# Altium PCB wikiduino-micro-bk7251.PcbDoc (part 1 of 2) (continued)
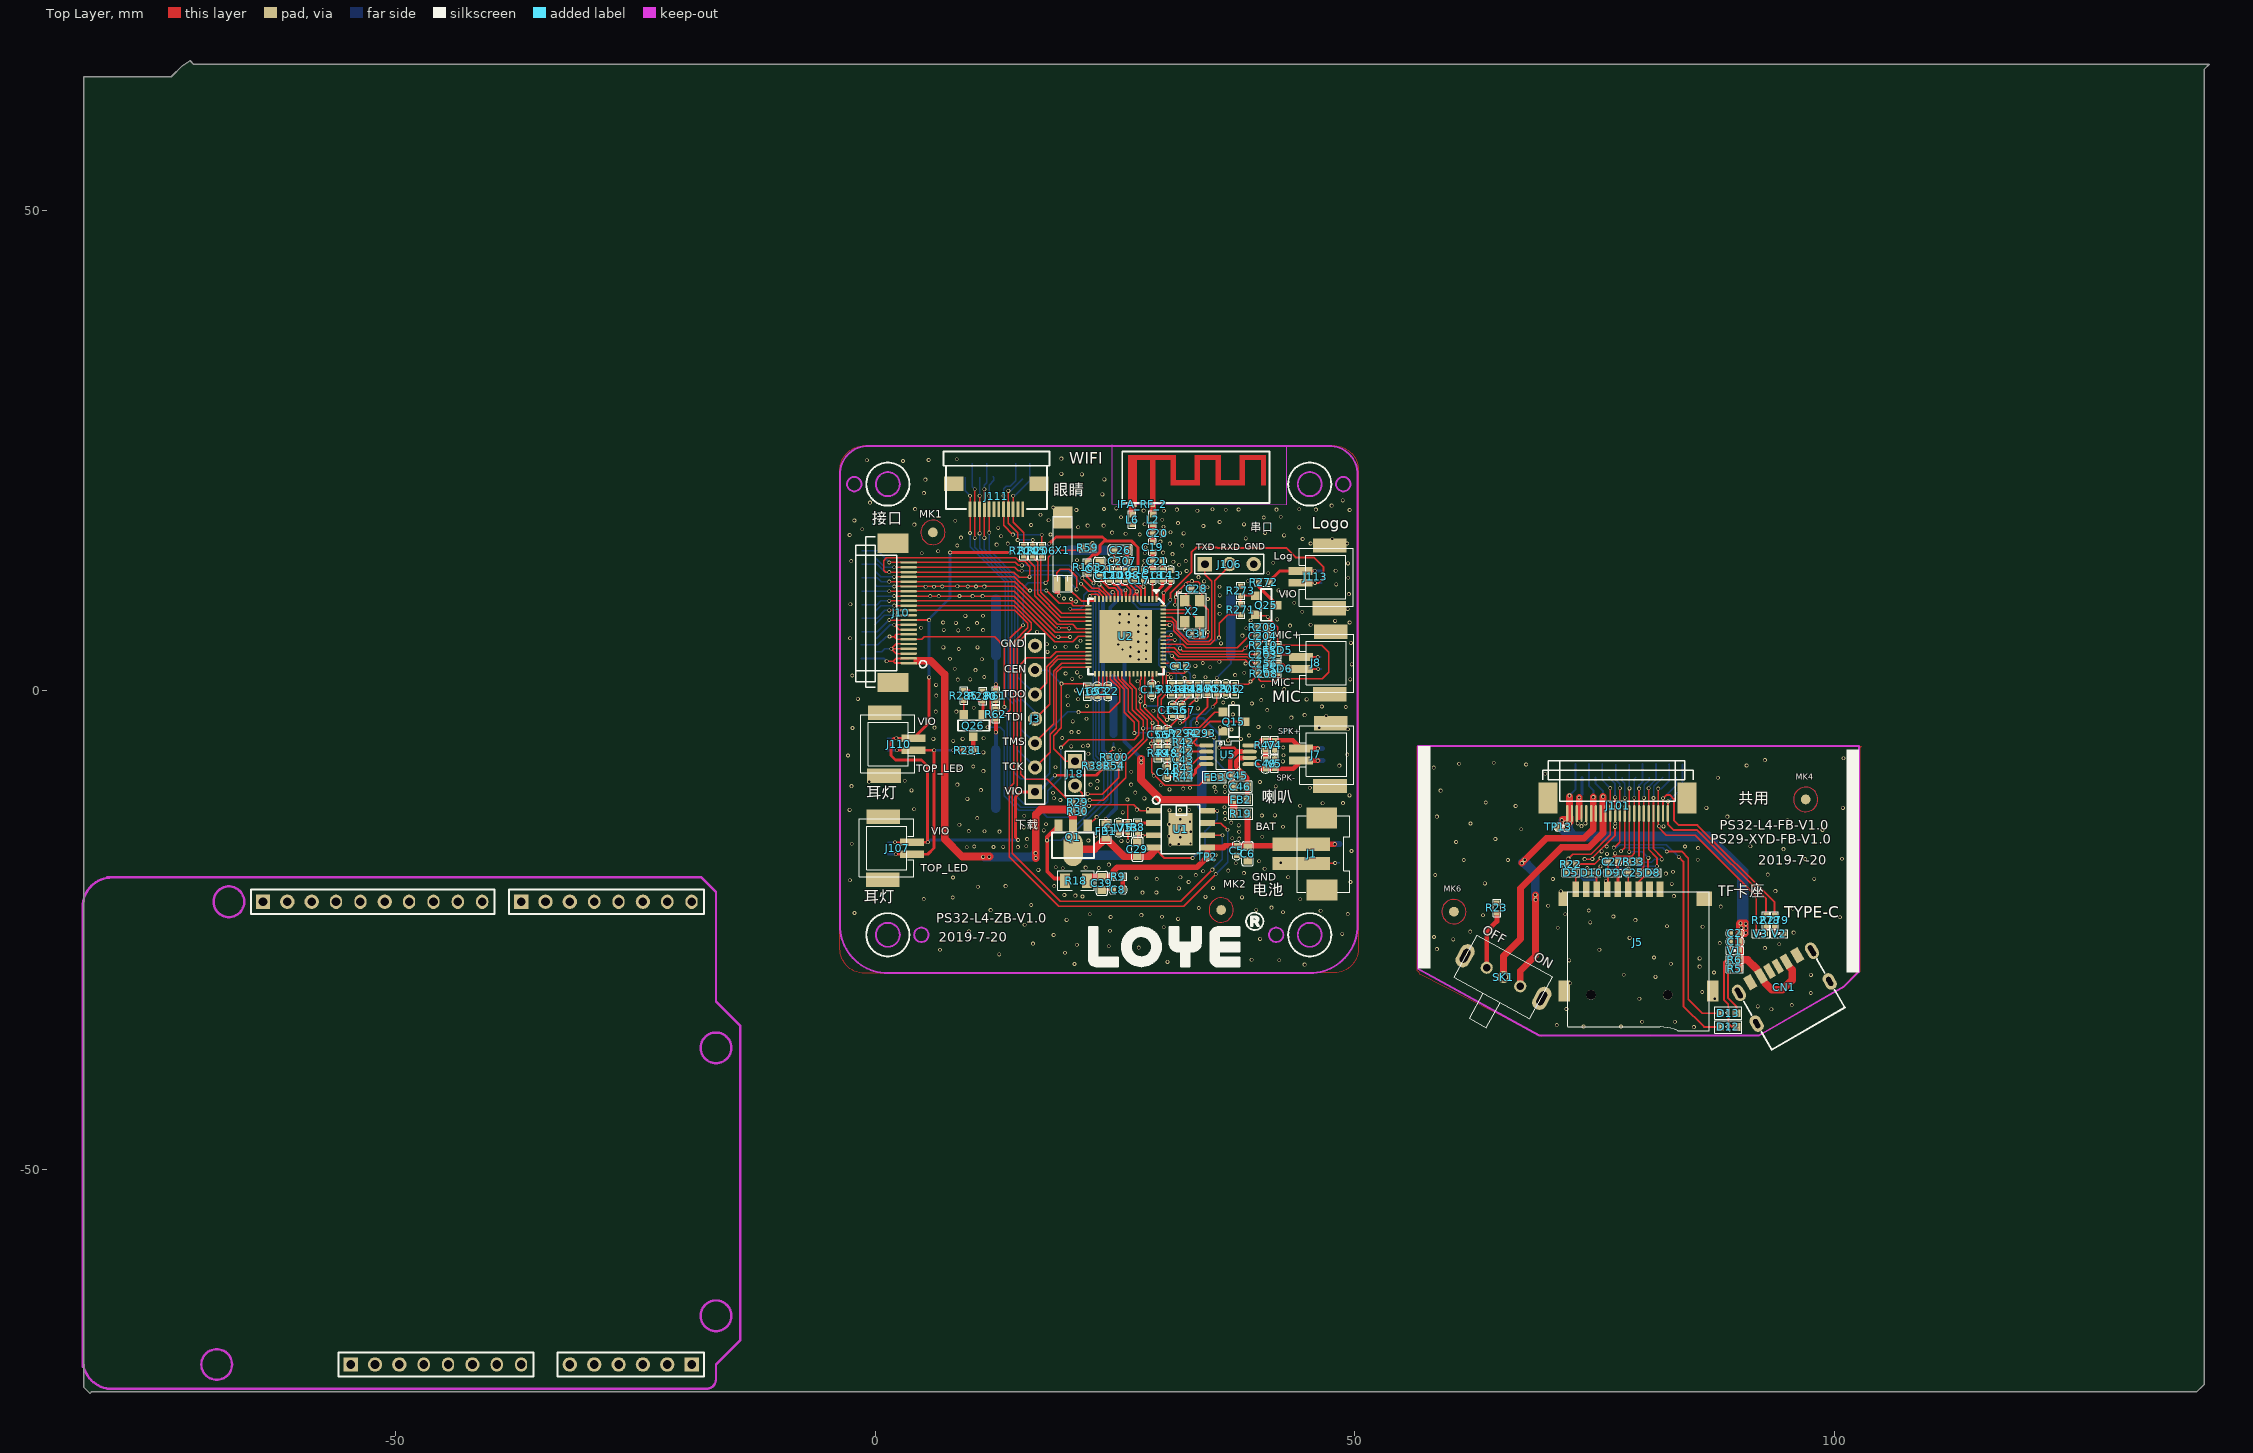
[diagram p0: Top Layer view]
## Footprints (in the part's own frame and the unit in brackets; to place one, negate y for a bottom-side part, rotate by r counter-clockwise, add the part's x,y. Pads: shape width x height; smd on the part's side, far side on the other; paste and mask are expansions set on the pad) (continued)
  silkscreen extent -49,-24 49,24
SIP2-1.25MM-WA [mm]
  rect 0.8x2.5 smd: 1(1.25,0.5) 2(0,0.5)
  rect 1.5x3.5 smd: 3(-2.65,3.57) 4(3.9,3.501)
  silkscreen extent -2.37,0.36 3.7,6
SIP100-2P [mm]
  rect 1.5x1.5 hole 0.8: 1(-1.27,0)
  round 1.5 hole 0.8: 2(1.27,0)
  silkscreen extent -2.33,-1.02 2.31,1.02
SIP100-3P [mm]
  rect 1.5x1.5 hole 0.8: 1(-2.54,0)
  round 1.5 hole 0.8: 2(0,0) 3(2.54,0)
  silkscreen extent -3.6,-1.02 3.6,1.02
SIP100-7P [mm]
  rect 1.5x1.5 hole 0.8: 1(-7.62,0)
  round 1.5 hole 0.8: 2(-5.08,0) 3(-2.54,0) 4(0,0) 5(2.54,0) 6(5.08,0) 7(7.62,0)
  silkscreen extent -8.89,-1.02 8.89,1.02
SK12D07VG3 [mil]
  round 50 hole 30: 1(-78.74,0) 2(0,0) 3(78.74,0)
  oval 60x100 hole 30 slot 60 at 90 deg: ""(-180,0) ""(180,0)
  silkscreen extent -177,-217 177,98
SMD_3225 [mm]
  rect 1.2x1 smd: 1(-1.1,-0.775) 2(1.1,-0.775) 3(1.1,0.775) 4(-1.1,0.775)
  Top Layer pour cut-out: -1.9,1.5 1.9,1.5 1.9,-1.5 -1.9,-1.5
  silkscreen extent -2.03,-1.63 1.85,1.45
SOP8_PAD [mm]
  rect 0.6x1.6 smd: 1(-1.905,-2.8) 2(-0.635,-2.8) 3(0.635,-2.8) 4(1.905,-2.8) 5(1.905,2.8) 6(0.635,2.8) 7(-0.635,2.8) 8(-1.905,2.8)
  rect 3.4x2.5 smd: 9(0,0)
  silkscreen extent -3.39,-2.92 2.55,2
SOT-23 [mm]
  rect 0.9x0.9 smd: 1(-0.991,-1.161) 2(1.009,-1.161) 3(0.009,1.139)
  silkscreen extent -1.69,-0.56 1.61,0.54
SOT-89-3L [mil]
  rect 50x34 smd: 1(49,-60.15) 3(49,60.15)
  oval 137.8x80 smd: 2(-49,0)
  rect 51.18x34 smd: 2(49,0.15)
  silkscreen extent -84,-86 20,86
SW-4.5X4.5-SMT1 [mil]
  rect 100x50 smd: 1(-120,-60) 2(120,-60) 3(120,60) 4(-120,60)
  silkscreen extent -91,-91 91,91
TF_CARD-AUTO-NO [mm]
  rect 0.7x1.6 smd: 1(-0.8,11) 2(-1.9,11) 3(-3,11) 4(-4.1,11) 5(-5.2,11) 6(-6.3,11) 7(-7.4,11) 8(-8.5,11) 9(-9.6,11)
  rect 1x1.5 smd: 10(-10.9,10)
  rect 1.6x1.5 smd: 11(3.8,10)
  rect 1.2x2.2 smd: 12(-10.8,0.4) 13(4.7,0.4)
  round 1 hole 1 unplated: 14(0,0) 15(-8,0)
  silkscreen extent -10.43,-3.77 4.33,10.75
TPC#1 [mm]
  round 0.6 smd: 1(0,0)
  silkscreen extent -0.4,-0.4 0.4,0.4
TPC#2 [mm]
  round 1 smd: 1(0,0)
  silkscreen extent -0.46,-0.46 0.46,0.46
TYPE-C [mm]
  oval 1.2x1.8 hole 0.5 slot 1.2 at 90 deg: A0(-4.4,1.85) A0(4.4,1.85)
  oval 1.2x1.8 hole 0.5 slot 1 at 90 deg: A0(-4.4,-1.85) A0(4.4,-1.85)
  rect 0.7x1.5 smd: A5(-0.5,2.231) B5(0.5,2.231)
  rect 0.8x1.5 smd: A9(1.52,2.231) B9(-1.52,2.231)
  rect 0.9x1.5 smd: A12(2.83,2.231) B12(-2.83,2.231)
  silkscreen extent -4.4,-5 4.4,0.83

## Part data
C5: library part CAP_NP_2
C8 C17 C26 C108 C109 C120 C121 C203 C207: library part CAPACITOR_0_6
C29 C39: library part CAP_NP_4
C156 C157: library part CAPACITOR_2, "RoHS CHIP CAP  25V +80% -20% Y5V SMT C0603"
C204 C256: library part CAPACITOR_3
C206: library part CAPACITOR_0_2
CN1: library part USB_TYPE_A_5
D5: library part 1_1.5KE100A
D12 D13: library part LED_0_2
ESD5 ESD6: library part VARISTOR, "Mutilayer Varistor,,5.5V,10PF"
J1: library part CON8_1
J3: library part CON7
J8: library part MICPHONE_2
J10 J101: library part CON24
J18: library part CON3
J107 J110 J113: library part CONFPC_15
J111: library part CON40-B070EW01_0
L6: library part INDUCTOR_4
MK4 MK5 MK6 MK7: library part MK
Q1: library part NPN_0
Q15 Q25: library part NPN
R9 R23 R29 R208 R210 R382: library part R_2
R18 R19 R61 R62 R163 R204 R205 R206 R272 R273 R293: library part R_4
R48 R49 R146 R147 R148 R149 R209: library part RESISTOR_3, "ROHS CHIP RES  1/10W 5% SMT R0603"
R271 R294: library part R_5
SK1: library part "SW DPDT"
SW5 SW6: library part SW4P_0_2, "KEY,SMT"
TP2 TP13: library part TEST_POINT_2, "PAD_SM;TEST;0.025 ROUND"
X1: library part CRYSTAL_XCOL-3_0

## Free pads (board coordinates)
  round 0.8 smd far side: 0(-1.43,10.33) 1(-0.03,11.03) 2(-0.03,9.63) 3(-1.43,8.93) 4(-0.03,8.23) 5(-1.43,7.53) 6(-0.03,6.83) 7(-1.43,6.13) 8(-1.43,11.73) 9(-0.03,12.43) 10(-1.43,13.13) 11(-0.03,13.83) 12(-1.43,14.53) 13(-0.03,5.43) 14(-1.43,4.73) 15(-0.03,4.03) 16(-1.43,3.33)
  round 1 smd far side: 0(1.25,-15.81) 1(1.26,-17.16) 2(1.36,-4.89) 2(10.87,22.2) 3(1.29,-6.33) 3(11.62,23.7) 4(12.37,22.2) 4(46.52,12.64) 5(10.12,23.7) 5(46.58,11.14) 6(9.37,22.2) 6(46.83,3.52) 7(13.12,23.7) 7(46.85,2.17) 8(13.87,22.2) 8(46.87,-5.88) 9(14.62,23.7) 9(46.85,-7.43) 10(15.37,22.2) 10(48.62,-15.97) 11(16.12,23.7) 11(48.57,-17.96) 12(16.87,22.2) 13(17.62,23.7)
  rect 1.5x1.5 hole 0.9: 1(-63.866,-22.054) 1(-54.722,-70.314) 1(-36.942,-22.054) 1(-19.162,-70.314)
  round 1.5 hole 0.9: 2(-61.326,-22.054) 2(-52.182,-70.314) 2(-34.402,-22.054) 2(-21.702,-70.314) 3(-58.786,-22.054) 3(-49.642,-70.314) 3(-31.862,-22.054) 3(-24.242,-70.314) 4(-26.782,-70.314) 5(-29.322,-70.314) 6(-51.166,-22.054) 6(-42.022,-70.314) 6(-31.862,-70.314) 6(-24.242,-22.054)
  oval 1.27x1.5 hole 0.9: 4(-56.246,-22.054) 4(-47.102,-70.314) 4(-29.322,-22.054) 5(-53.706,-22.054) 5(-44.562,-70.314) 5(-26.782,-22.054) 7(-48.626,-22.054) 7(-39.482,-70.314) 7(-21.702,-22.054) 8(-46.086,-22.054) 8(-36.942,-70.314) 8(-19.162,-22.054) 9(-43.546,-22.054) 10(-41.006,-22.054)
  round 0.7 smd far side: 13(75.81,-7.69) 14(77.21,-7.69) 15(76.51,-9.09) 16(77.91,-9.09) 17(78.61,-7.69) 18(80.01,-7.69) 19(80.71,-9.09) 20(79.31,-9.09) 21(81.41,-7.69) 22(82.11,-9.09) 23(82.81,-7.69) 24(83.51,-9.09) 25(84.21,-7.69) 26(75.11,-9.09) 27(74.41,-7.69) 28(73.71,-9.09) 29(73.01,-7.69)

## Via types
v1: diameter 0.4, hole 0.25, Top Layer to Bottom Layer, 744 vias

## Nets (pads, with @x,y where several pads share a name; then routed paths per layer and width w, separated by ;. In a path a pad name is that pad's centre, name@x,y a point inside that pad or via, vN(x,y) a via of type N, cw(c..) or ccw(c..) an arc to the next point about the centre after c; other vN are vias at no path point)
A5: CN1.A5
ANT: C18.2 U2.2 | length 1.8
  Top Layer w0.2: U2.2@28.92,9.52 C18.2@28.92,11.302
AUDIO_EN1: C44.2 R48.2 R49.2 | length 1.9
  Top Layer w0.15: R49.2@29.49,-7.05 R48.2@30.443,-7.05 C44.2@30.443,-8.017
AUDLN: U2.51
AUDLP: C57.2 C157.2 U2.52 | length 9.3
  Top Layer w0.15: U2.52@29.98,2.38 29.98,-0.22 29.46,-0.74 29.46,-2.748 30.443,-3.731 C57.2@30.443,-4.067 ; C57.2@30.443,-4.119 C57.2@30.443,-4.067 ; C157.2@31.92,-2.59 C57.2@30.443,-4.067
  Top Layer w0.2: U2.52@29.98,2.38 U2.52@30.02,2.42
AUDRP: C56.2 C156.2 U2.48 | length 9.6
  Top Layer w0.15: U2.48@28.12,1.72 28.12,-1.65 28.12,-1.89 29.49,-3.26 C56.2@29.49,-4.139
  Top Layer w0.2: v1(30.35,-2.32) 30.63,-2.6 C156.2@30.99,-2.6
  Bottom Layer w0.2: v1(28.13,-1.65) 29.63,-1.65 v1@30.3,-2.32
B5: CN1.B5
BAT: C5.2 C6.2 C39.2 J1.1 pad.10@48.62,-15.97 R9.1 R18.1 R19.2 TP2.1 U1.5 | length 31.4
  Top Layer w0.6: R18.1@22.513,-19.42 23.63,-19.42 R9.1@24.81,-19.42 24.81,-18.87 25.23,-18.45 33.55,-18.45 TP2.1@34.63,-17.37 34.64,-17.36 34.64,-16.43 U1.5@34.663,-16.408 ; U1.5@34.64,-16.385 36.315,-16.385 36.475,-16.225 37.68,-16.225 C6.2@38.82,-16.225 ; C6.2@38.82,-16.36 C6.2@38.82,-16.225 ; R19.2@38.82,-12.9 C6.2@38.82,-16.225 ; J1.1@44.258,-16.225 C6.2@38.82,-16.225 ; J1.1@44.423,-16.06 v1@47.87,-16.06
  Bottom Layer w0.6: v1(47.91,-16.04) pad.10@48.44,-16.04
CEN: C53.2 J3.6 J18.1 R382.2 U2.36 V16.1 | length 21.4
  Top Layer w0.15: 19.41,-1.93 19.41,-1.41 ; 19.72,-7.24 19.435,-6.955 ; J18.1@20.82,-7.49 J18.1@21.13,-7.49 ; V16.1@22.13,0.37 V16.1@22.11,0.39 ; R382.2@22.52,-7.87 22.06,-7.41 J18.1@20.82,-7.41 20.786,-7.376 19.856,-7.376 19.435,-6.955 ; C53.2@23.14,0.39 22.13,0.39 V16.1@22.11,0.39 ; C53.2@23.32,0.57 U2.36@23.32,1.72 ; 19.41,-1.41 19.41,-3.92 18.6,-4.73 18.6,-6.12 19.435,-6.955 ; 19.41,-1.41 v1(19.41,0.7) 21.8,0.7 V16.1@22.11,0.39
  Bottom Layer w0.15: J3.6@16.65,2.11 17.99,2.11 v1@19.4,0.7
CHARGE_LED: U2.62
CHRG: J10.12 pad.5@-1.43,7.53 U1.7 | length 76
  Top Layer w0.15: v1(1.44,8.33) J10.12@3.473,8.33 14.55,8.33 15.9,6.98 15.9,6.51 14.42,5.03 14.42,-9.7 13.975,-10.145 13.975,-17.365 19.12,-22.51 32.15,-22.51 v1(35.494,-19.166) ; U1.7@34.64,-13.845 36.045,-13.845 36.74,-14.54 v1@36.76,-14.56
  Bottom Layer w0.15: pad.5@-1.43,7.53 0.182,7.53 0.982,8.33 v1(1.44,8.33) ; v1@35.48,-19.18 v1(35.494,-19.166) 36.73,-17.93 v1(36.73,-14.55)
CHRG1: D12.2 J101.12 pad.14@77.21,-7.69 | length 39.4
  Top Layer w0.15: v1@77.04,-16.439 77.649,-15.83 77.649,-15.179 ; 77.649,-15.72 77.649,-15.179 ; v1(77.649,-10.217) J101.12@77.649,-12.844 77.649,-15.179
  Top Layer w0.2: v1(83.79,-17.379) 84.279,-17.869 84.279,-22.099 ; 84.279,-20.358 84.279,-22.099 ; D12.2@88.076,-35.111 86.44,-35.111 84.279,-32.95 84.279,-22.099
  Bottom Layer w0.15: v1(77.01,-16.409) 77.29,-16.409 77.615,-16.084 82.495,-16.084 v1(83.79,-17.379) ; pad.14@77.21,-7.69 77.21,-9.316 77.649,-9.756 v1(77.649,-10.217)
DN: J101.22 pad.25 R278.1 | length 22.1
  Top Layer w0.2: v1(82.66,-11.589) 82.649,-11.6 J101.22@82.649,-12.844 82.649,-13.989 83.24,-14.579 85.71,-14.579 92.894,-21.764 R278.1@92.894,-23.484
  Bottom Layer w0.2: v1(82.66,-11.589) 82.686,-11.589 84.19,-10.086 pad.25@84.19,-7.71
DP: J101.21 pad.24 R279.1 | length 23.4
  Top Layer w0.2: J101.21@82.149,-12.844 v1(82.149,-11.262) 82.483,-10.928 82.879,-10.928 83.29,-11.339 83.29,-13.559 83.79,-14.059 85.73,-14.059 93.784,-22.114 R279.1@93.784,-23.484
  Bottom Layer w0.2: v1(82.149,-11.262) 83.51,-9.902 pad.24@83.51,-9.09
EXTCHARGE: Q1.1 U2.13 | length 29
  Top Layer w0.2: Q1.1@22.148,-14.105 Q1.1@22.148,-13.642 ; Q1.1@22.328,-13.972 v1(23.07,-13.23) ; v1@23.355,11.045 24.31,10.09 24.31,10.062 24.52,9.852 U2.13@24.52,9.52
  Bottom Layer w0.2: v1@23.07,-13.18 v1(23.07,-13.23) 24.57,-11.73 24.57,-7.855 23.315,-6.6 23.315,11.005 v1(23.36,11.05)
GND: C5.1 C6.1 C8.2 C12.1 C13.2 C14.2 C15.1 C16.2 C17.2 C20.2 C21.2 C22.1 C26.2 C28.1 C29.1 C31.1 C39.1 C53.1 C108.2 C109.2 C120.2 C121.2 C175.1 C204.1 C206.1 C207.2 ESD5.2 ESD6.2 FB3.2 J1.0 J1.2 J3.7 J7.3 J7.4 J8.3 J8.4 J10.3 J10.4 J10.5 J10.8 J10.9 J10.11 J10.15 J10.17 J10.20 J10.25 J10.26 J18.2 J106.3 J107.3 J107.4 J110.3 J110.4 J111.13 J111.14 J113.3 J113.4 L6.1 pad.1@-0.03,11.03 pad.2@-0.03,9.63 pad.6@-0.03,6.83 pad.10@-1.43,13.13 pad.11@48.57,-17.96 pad.13@-0.03,5.43 pad.15@-0.03,4.03 Q15.2 Q25.2 Q26.2 R8.1 R29.2 R146.1 R147.1 R208.1 R273.2 R285.2 SW1.1 SW1.2 SW2.1 SW2.2 SW3.1 SW3.2 SW4.1 SW4.2 SW5.1 SW5.2 SW6.1 SW6.2 SW7.1 SW7.2 U1.1 U1.3 U1.9 U2.37 U2.47 U2.69 V4.2 V5.2 V12.2 V13.2 V16.2 X1.1 X1.3 X2.2 X2.4 | length 252.2
  Top Layer w0.15: v1(1.97,7.83) J10.11@3.473,7.83 ; v1(1.97,9.83) J10.15@3.473,9.83 v1(8.77,9.83) 14.47,9.83 18.75,5.55 20.3,5.55 v1(20.31,5.56) ; v1(1.97,10.83) J10.17@3.473,10.83 v1(6.97,10.83) v1(9.64,10.83) v1(10.49,10.83) 14.55,10.83 18.88,6.5 v1@20.18,6.5 ; J10.20@2.97,12.33 v1(1.44,12.33) 1.07,12.33 0.87,12.53 0.87,13.53 1.14,13.8 2.32,13.8 2.57,13.8 14.63,13.8 14.995,13.435 15.585,13.435 16.11,12.91 16.11,12.03 15.89,11.81 15.56,11.81 ; J10.3@3.473,3.83 2.17,3.83 v1(1.67,4.33) ; J10.4@3.473,4.33 v1(1.67,4.33) ; J10.5@3.473,4.83 2.17,4.83 v1(1.67,4.33) ; J10.8@3.473,6.33 2.47,6.33 v1(1.97,6.83) J10.9@3.473,6.83 ; J10.20@3.473,12.33 14.45,12.33 14.99,11.79 15.56,11.79 ; Q26.2@9.24,-2.5 R285.2@9.24,-1.05 ; X1.1@18.94,10.928 X1.1@18.94,11.13 18.94,12.26 19.29,12.61 20.22,12.61 20.99,11.84 v1(20.99,10.52) ; v1@20.18,6.46 v1(20.22,6.46) ; v1@20.374,9.494 20.608,9.26 v1(20.91,9.26) ; J18.2@20.82,-9.95 21.6,-10.73 R29.2@21.6,-11.67 21.86,-11.93 26.33,-11.93 ; V16.2@22.13,-0.61 C53.1@23.14,-0.61 C53.1@23.22,-0.61 ; C121.2@23.39,13.33 23.6,13.33 C120.2@24.41,12.52 C109.2@25.26,12.52 C109.2@25.27,12.52 ; C39.1@23.66,-20.8 C8.2@24.81,-20.8 ; U2.37@23.72,1.72 23.72,-0.11 C53.1@23.22,-0.61 ; C22.1@24.27,-0.66 C22.1@24.22,-0.61 ; C22.1@24.27,-0.61 C22.1@24.22,-0.61 ; C26.2@24.86,14.58 24.86,13.87 C207.2@25.27,13.46 C109.2@25.27,12.52 ; C109.2@25.27,12.32 C109.2@25.27,12.52 ; C175.1@25.38,-13.83 V13.2@26.33,-13.83 ; C108.2@26.105,12.52 C109.2@25.27,12.52 ; C29.1@27.37,-15.84 R8.1@27.37,-14.79 26.41,-13.83 V13.2@26.33,-13.83 ; 27.385,-15.115 U1.3@29.04,-15.115 ; U2.47@27.72,1.72 27.72,1.33 27.72,1.17 27.64,1.09 v1(27.64,-0.64) 27.64,-1.9 28.83,-3.09 28.83,-8.55 30.2,-9.92 33.8,-9.92 FB3.2@34.67,-9.05 ; C17.2@28.01,11.49 C16.2@28.01,12.52 ; C15.1@28.84,-0.42 C15.1@28.92,-0.42 ; C15.1@28.88,-0.46 C15.1@28.92,-0.42 ; U1.1@29.04,-12.575 27.615,-12.575 26.97,-11.93 26.33,-11.93 ; v1(29.51,0.75) 29.51,0.09 29,-0.42 C15.1@28.92,-0.42 ; C14.2@29.92,12.517 C21.2@29.92,13.46 ; C14.2@29.927,12.51 C13.2@30.79,12.51 ; v1(30.39,-0.36) 30.9,-0.36 R146.1@30.91,-0.37 ; v1(30.41,-3.09) 29.79,-2.47 29.79,-2.27 29.79,-1.71 29.79,-0.93 30.34,-0.38 30.34,1.52 30.62,1.8 32.2,1.8 32.37,1.97 v1(32.37,2.06) C12.1@32.37,2.53 ; v1(30.93,3.59) 31.35,3.17 38.58,3.17 38.61,3.14 38.785,2.965 R208.1@40,1.75 ; v1(31.26,8.92) 31.26,10.04 32.56,11.34 33.65,11.34 34.02,10.97 C28.1@34.02,10.6 X2.4@34.02,9.555 ; v1(31.76,-3.38) 32.07,-3.38 32.7,-2.75 32.7,-1.62 33.62,-0.7 R147.1@33.62,-0.36 ; v1(31.78,4.37) 32.08,4.07 38.26,4.07 39.83,5.64 C204.1@39.92,5.64 ; v1@32.3,6.17 X2.2@32.3,7.115 ; C31.1@33.01,5.89 33.01,5.6 33.25,5.36 34.47,5.36 34.74,5.63 34.74,8.425 X2.4@33.815,9.35 ; C206.1@36.55,0.65 38.9,0.65 R208.1@40,1.75 ; Q25.2@39.609,7.861 39.67,7.8 40.72,7.8 41.95,6.57 ESD5.2@41.95,4.7 46.54,4.7 47.28,3.96 47.28,1.9 46.6,1.22 41.95,1.22 ; V5.2@41.632,-7.144 V4.2@41.632,-6.217 ; ESD6.2@41.95,1.75 41.95,1.22 ; J1.2@44.423,-18.06 v1@48,-18.06 ; C53.1@23.22,-0.61 C22.1@24.22,-0.61 ; V13.2@26.33,-13.83 26.33,-11.93 ; R208.1@40,1.75 40,1.16 40.21,0.95 41.68,0.95 41.95,1.22
  Bottom Layer w0.15: pad.10@-1.43,13.13 0.221,13.13 0.346,13.006 0.624,12.728 1.021,12.33 v1(1.44,12.33) ; pad.15@-0.03,4.03 0.67,4.03 0.97,4.33 v1(1.67,4.33) ; pad.13@-0.03,5.43 0.17,5.43 1.57,6.83 v1(1.97,6.83) ; pad.6@-0.03,6.83 -0.03,6.865 0.935,7.83 v1(1.97,7.83) ; pad.1@-0.03,11.03 0.17,10.83 0.47,10.83 1.67,10.83 v1(1.97,10.83) ; pad.2@0.17,9.83 v1(1.97,9.83) ; v1@16.11,11.81 16.37,12.07 19.43,12.07 v1@20.98,10.52 ; v1@30.39,-0.37 30.87,0.11 32.11,0.11 32.82,0.82 32.82,1.7 v1(30.93,3.59) 30.56,3.96 30.56,4.49 30.89,4.82 31.33,4.82 v1(31.78,4.37) 31.78,5.63 31.235,6.175 30.465,6.175 29.58,5.29 29.58,2.67 v1@30.59,1.66 ; v1(47.95,-18.01) pad.11@48.44,-18.01
  other v1: 44.77,-28.61 20.77,-28.54 30.47,-28.324 42.115,-28.16 39.24,-28.11 12.915,-27.54 19.78,-27.37 6.74,-27.06 27.47,-26.84 24.34,-26.7 21.015,-26.53 16.44,-26.424 40.13,-25.929 18.59,-25.524 48.69,-25.41 9.765,-25.14 24.47,-25.07 30.08,-24.71 15.56,-24.45 19.94,-23.95 31.57,-23.84 24.54,-23.64 29.89,-23.61 27.74,-23.45 22.36,-23.36 49.26,-23.34 -2.18,-23.23 42.515,-23.14 46.44,-23 12.015,-22.92 39.715,-22.9 33.73,-22.7 41.315,-22.66 16.25,-22.39 44.315,-21.8 5.04,-21.774 8.07,-21.61 38.24,-21.6 34.43,-21.55 21.6,-21.51 20.86,-21.41 19.71,-21.35 27.86,-21.1 29.31,-21.09 31.65,-20.66 35.215,-20.61 10.69,-20.48 13.58,-20.424 18.65,-20.424 32.67,-19.99 49.54,-19.99 -2.66,-19.81 29.35,-19.69 27.23,-19.61 8.1,-19.524 31.815,-19.5 43.05,-19.5 33.41,-19.27 38.43,-19.06 34.18,-18.88 36.8,-18.81 17,-18.724 40.6,-18.61 19.55,-18.56 23.3,-18.53 21.93,-18.49 18.805,-18.46 24.35,-18.174 37.58,-18.04 42.26,-18 40.02,-17.824 35.3,-17.68 35.47,-17.17 49.66,-16.76 9.53,-16.374 14.865,-16.36 12.315,-16.34 13.33,-16.33 10.32,-16.29 15.74,-16.27 30.76,-16.1 31.66,-16.04 -2.46,-16 32.87,-15.98 25.66,-15.71 22.215,-15.66 15.82,-15.52 37.95,-15.47 37.215,-15.43 31.79,-15.33 40.35,-15.27 22.95,-15.22 30.6,-15.224 27.88,-15.2 12.95,-14.74 32.9,-14.74 37.93,-14.75 9.74,-14.68 11.38,-14.7 17.56,-14.61 31.75,-14.34 15.48,-14.31 42.51,-14.224 37.9,-14.09 8.76,-14.03 30.63,-13.99 17.8,-13.974 37.115,-13.8 32.81,-13.724 31.8,-13.45 36.49,-13.424 10.63,-13.33 15.53,-13.09 40.315,-13.06 41.67,-13.05 36.47,-12.81 25.8,-12.73 30.68,-12.524 31.77,-12.5 -2.685,-12.47 32.74,-12.46 27.27,-12.44 4.04,-12.41 28.43,-12.39 36.415,-12.2 22.27,-12.06 44.3,-12.04 46.64,-11.78 48.77,-11.77 19.3,-11.44 26.29,-11.39 9.6,-11.33 28.06,-11.274 18.615,-11.26 49.45,-10.96 18.53,-10.69 27.1,-10.674 36.43,-10.6 35.5,-10.56 3.765,-10.44 11.01,-10.41 30.68,-10.33 32.115,-10.25 23.115,-10.22 32.815,-10.16 45.315,-10.17 35.37,-10.1 36.47,-10.04 41.75,-10.024 -2.49,-9.99 29.77,-9.91 8.55,-9.83 22.45,-9.84 26.67,-9.83 40.1,-9.56 -0.65,-9.52 23.15,-9.474 3.07,-9.44 29.04,-8.9 26.69,-8.5 11.265,-8.43 8.715,-8.1 18.79,-8.03 10.215,-7.95 48.39,-7.86 42.5,-7.41 36.15,-7.1 -2.85,-6.8 42.56,-6.77 41.66,-6.7 49.215,-6.71 22.215,-6.61 11.265,-6.47 25.48,-6.26 28.48,-6.124 42.54,-5.97 20.43,-5.85 21.67,-5.84 22.17,-5.76 28.76,-5.55 8.13,-5.274 36.79,-5.22 6.05,-5.07 9.1,-5.07 38.13,-5.07 11.29,-5 19.49,-4.98 38.98,-4.71 20.45,-4.36 21.2,-4.35 37.14,-4.09 49.28,-4.07 -2.385,-3.93 46.29,-3.924 6.17,-3.89 35.96,-3.85 39.95,-3.824 41.19,-3.8 28.9,-3.4 20.59,-3.24 22.02,-2.97 43.39,-2.85 47.015,-2.65 44.77,-2.59 37.29,-2.524 6.29,-2.224 8.45,-2.22 28.99,-2.124 40.87,-2.07 33.64,-1.89 10.26,-1.824 32.85,-1.81 49.05,-1.74 46.57,-1.69 22.06,-1.63 20.1,-1.56 39.27,-1.38 37.31,-1.32 36.28,-1.27 27.66,-1.16 28.84,-1.024 40.24,-1.024 33.49,-1 21.14,-0.94 44.97,-0.95 -1.82,-0.9 20.05,-0.624 6.35,-0.55 20.92,-0.01 27.65,0.12 29.49,0.12 42.64,0.12 40.44,0.43 6.33,0.56 39.12,0.92 27.35,0.94 8.6,1.11 9.9,1.14 49.53,1.14 20.54,1.19 30.84,1.35 34.43,1.36 11.35,1.39 21.4,1.41 33.25,1.44 -2.41,1.54 37.515,1.59 30.49,1.71 19.84,1.75 38.48,1.83 21.04,1.87 10.44,2.11 8.28,2.24 34.93,2.41 33.38,2.55 49.68,2.7 38.61,2.79 34.15,2.85 35.88,2.976 27.45,3.21 11.115,3.24 28.23,3.26 7.78,3.29 26.565,3.55 17.95,4.01 27.46,4.03 28.22,4.12 25.77,4.26 8.7,4.31 38.57,4.38 7.1,4.476 10.65,4.476 18.73,4.49 26.61,4.49 19.84,4.54 21.04,4.57 25.35,4.776 17.89,4.8 36.05,4.89 49.59,4.95 39.15,4.99 28.28,5.01 27.41,5.06 21.39,5.17 26.23,5.34 -2.63,5.43 19.09,5.57 38.28,5.7 28.27,5.87 32.715,5.933 25.41,6 26.4,6.07 16.87,6.09 34.665,6.08 27.4,6.12 8.64,6.25 11.24,6.276 32.288,6.276 7.13,6.3 9.69,6.38 19.13,6.47 38.68,6.476 4.77,6.52 28.27,6.76 43.24,6.75 27.44,6.77 45.39,6.84 10.6,7.01 8.4,7.026 25.46,7.026 7.065,7.07 49.46,7.076 26.44,7.1 47.95,7.24 39.13,7.276 41.915,7.39 28.27,7.55 40.915,7.66 27.43,7.74 9.39,7.76 11.22,7.776 25.49,7.95 26.45,7.95 35.9,7.976 44.515,8.2 38.99,8.49 49.25,8.49 40.49,8.66 35.9,8.79 -2.6,8.976 43.68,9.13 20.4,9.52 34.68,9.52 19.67,9.576 31.365,9.72 5.73,9.82 6.615,9.82 10.14,9.82 11.18,9.82 19.16,9.876 35.915,9.9 49.39,10.03 42.93,10.11 31.79,10.37 42.04,10.42 34.64,10.75 5.24,10.8 6.11,10.8 35.89,10.8 11.37,10.81 8.56,10.85 32.38,11.05 48.06,11.05 34.29,11.36 38.84,11.376 33.015,11.39 49.315,11.74 33.7,11.81 16.08,11.826 40.98,12.21 31.76,12.24 32.46,12.44 48,12.476 21.39,12.876 28.03,13.026 24.74,13.04 24.2,13.1 31.68,13.1 49.29,13.23 41.5,13.3 31.08,13.4 -2.52,13.476 32.37,13.476 28.065,13.51 21.03,13.56 24.24,13.57 24.69,13.59 30.99,14.2 4.83,14.3 28.1,14.3 30.015,14.36 6.54,14.5 28.17,14.91 32.01,15.09 8.54,15.1 12.64,15.2 13.8,15.3 30.72,15.3 45.39,15.31 49.215,15.31 29.73,15.52 44.56,15.776 47.65,15.79 38.63,15.84 8.93,15.92 13.11,16.07 42.63,16.15 -2.685,16.2 18.26,16.25 27.57,16.25 26.1,16.326 32.15,16.36 40.65,16.4 24.69,16.44 30.78,16.476 -1.36,16.8 12.81,16.94 44.2,16.99 21.14,17.01 30.05,17.05 34.215,17.13 22.14,17.17 23.8,17.18 16.24,17.24 4.065,17.28 38.45,17.3 28.08,17.32 31.56,17.44 35.9,17.55 8.33,17.676 -2.19,17.71 18.07,17.74 29.92,17.79 40.5,18.02 25.62,18.05 42.27,18.1 17.22,18.31 30.09,18.726 33.58,18.72 27.97,18.74 20.97,18.8 49.46,18.8 31.45,18.84 36.54,18.83 41.84,18.84 45.94,18.85 37.88,18.86 4.14,18.9 35.16,18.89 44.215,18.89 23.85,18.91 25.12,18.97 18.56,19.06 47.58,19.26 -0.56,19.57 48.74,19.8 23.68,20.43 5.06,20.57 5.22,21.976 23.89,22 21.54,22.52 19.4,22.57 2.88,23.91 -0.885,23.99 5.55,24.02 8.48,24.09 19.4,24.16
GND1: C1.2 C2.2 C25.1 C27.2 CN1.A0 CN1.A12 CN1.B12 D5.2 D8.2 D9.2 D10.2 J5.6 J5.10 J5.11 J5.12 J5.13 J101.3 J101.4 J101.5 J101.11 J101.15 J101.17 J101.20 J101.25 J101.26 pad.15@76.51,-9.09 pad.19 pad.20 pad.23 pad.28 R23.2 V1.2 V2.2 V3.2 | length 65.5
  Top Layer w0.15: C27.2@76.413,-18.116 76.413,-17.906 C27.2@76.433,-17.886 ; C27.2@76.413,-17.866 76.99,-17.289 78.44,-17.289 78.445,-17.294 78.865,-17.294 79.149,-17.01 J101.15@79.149,-12.844 v1(79.149,-11.209) ; C25.1@79.547,-19.031 79.649,-18.928 80.149,-18.428 J101.17@80.149,-12.844 v1(80.149,-11.222)
  Top Layer w0.18: v1@73.966,-17.507 v1(73.966,-17.608) 74.641,-17.608 77.149,-15.1 v1(77.149,-14.243) J101.11@77.149,-12.844 v1(77.149,-11.174) ; D10.2@74.178,-18.981 D10.2@74.228,-19.031 ; J5.6@76.334,-20.759 76.413,-20.681 C27.2@76.413,-18.116 ; v1(81.649,-10.254) J101.20@81.649,-12.844 81.649,-14.259 82.5,-15.109 85.49,-15.109 91.864,-21.483 V3.2@91.864,-25.384 ; V1.2@89.149,-27.149 C1.2@89.149,-26.224 C2.2@89.149,-25.324
  Top Layer w0.7: 73.408,-13.199 73.408,-12.844 ; 73.408,-12.742 v1(73.408,-11.186)
  Bottom Layer w0.15: v1(80.149,-11.222) 80.204,-11.167 80.204,-9.865 80.71,-9.359 pad.19@80.71,-9.09
  Bottom Layer w0.18: pad.15@76.51,-9.132 pad.15@76.51,-9.09 77.149,-9.73 v1(77.149,-11.174) v1@77.139,-11.164 ; v1(79.149,-11.209) 79.149,-9.25 pad.20@79.31,-9.09 ; v1(81.649,-10.254) 81.975,-10.254 82.81,-9.419 pad.23@82.81,-7.69 pad.23@82.75,-7.75
  Bottom Layer w0.3: v1(73.408,-11.186) 73.71,-10.884 pad.28@73.71,-9.09
  other v1: 85.365,-35.122 73.865,-35.071 77.765,-35.071 71.065,-34.919 83.385,-34.564 79.965,-34.563 93.443,-33.264 72.065,-33.242 92.021,-32.964 95.565,-32.836 79.676,-32.164 87.55,-32.164 97.558,-31.564 86.23,-31.464 72.465,-30.55 81.365,-29.89 78.051,-29.665 97.565,-29.686 87.465,-29.432 85.965,-28.823 82.965,-28.518 72.361,-28.165 85.965,-27.959 81.2,-27.865 75.511,-27.065 58.565,-26.994 92.765,-26.892 94.265,-26.486 88.058,-26.365 60.265,-25.978 78.665,-25.826 58.265,-25.724 95.765,-25.267 62.049,-25.165 71.165,-24.759 86.28,-24.665 82.565,-24.606 74.565,-24.2 79.27,-23.965 100.606,-23.665 76.965,-23.59 63.37,-23.465 71.955,-23.365 74.393,-22.965 95.678,-22.765 88.16,-22.565 70.165,-22.473 83.283,-21.465 71.498,-20.965 93.865,-20.949 83.065,-20.187 63.565,-20.136 76.171,-19.865 70.665,-19.679 97.914,-19.665 79.422,-19.365 58.391,-19.265 93.065,-19.222 82.45,-19.114 83.19,-18.929 74.25,-18.549 61.365,-17.698 65.965,-17.698 85.772,-17.665 74.78,-17.589 96.965,-17.596 100.809,-17.565 76.3,-17.059 77.15,-17.014 75.74,-16.799 94.713,-16.565 85.81,-16.459 76.27,-16.289 84.44,-16.289 91.259,-16.265 60.565,-15.818 64.665,-15.513 98.777,-14.565 67.365,-14.497 82.2,-14.199 73.64,-14.169 81.74,-14.179 77.16,-13.889 62.065,-13.888 73.26,-13.879 74.05,-13.879 95.12,-13.565 58.565,-13.176 88.865,-13.176 100.911,-12.265 86.665,-12.262 66.773,-12.065 63.665,-11.703 92.365,-10.941 58.95,-10.465 87.865,-9.112 69.865,-8.706 58.239,-8.065 90.865,-7.842 67.865,-7.741 60.88,-7.665 64.487,-7.565 92.765,-7.284 100.965,-7.08
KEY_CATALOG: U2.43
KEY_NEXT: U2.45
KEY_UP: U2.29
KEY_WECHAT: U2.46
LED_DRIVER1: R206.1 U2.20 | length 9.6
  Top Layer w0.15: R206.1@17.35,13.89 17.24,13.78 17.24,10.22 19.44,8.02 U2.20@22.22,8.02
LED_DRIVER1_1: J111.10 pad.11@16.12,23.7 R204.2 | length 10.1
  Top Layer w0.15: v1(14.37,20.29) J111.10@14.37,18.89 14.37,17.51 15.47,16.41 R204.2@15.47,15.04 R204.2@15.47,14.89
  Bottom Layer w0.15: v1(14.37,20.29) 14.56,20.29 16.12,21.85 pad.11@16.12,23.7
LED_DRIVER2: R205.1 U2.21 | length 10.5
  Top Layer w0.15: R205.1@16.42,14.04 16.42,13.94 16.93,13.43 16.93,10.05 19.36,7.62 U2.21@22.22,7.62
LED_DRIVER2_1: J111.9 pad.10@15.37,22.2 R205.2 | length 9.9
  Top Layer w0.15: v1(13.87,20.8) J111.9@13.87,18.89 13.87,17.42 14.84,16.45 v1@14.84,15.68 ; R205.2@16.42,14.89 R205.2@16.42,15.04 v1(16.42,15.68)
  Bottom Layer w0.15: v1(13.87,20.8) 14.123,20.8 pad.10@15.37,22.047 ; v1@14.84,15.68 v1(16.42,15.68)
  other v1: 14.83,15.67
LED_DRIVER3: R204.1 U2.22 | length 11.3
  Top Layer w0.15: R204.1@15.47,14.04 16.63,12.88 16.63,9.86 19.27,7.22 U2.22@22.22,7.22
LED_DRIVER3_1: J111.8 pad.9@14.62,23.7 R206.2 | length 13
  Top Layer w0.15: v1(13.37,20.29) J111.8@13.37,18.89 13.37,17.21 v1(14.34,16.24) ; R206.2@17.35,14.89 R206.2@17.35,15.04 v1(17.35,16.23)
  Bottom Layer w0.15: v1(13.37,20.29) 13.37,21 13.67,21.3 14.07,21.3 14.62,21.85 pad.9@14.62,23.7 ; v1(14.34,16.24) v1@17.34,16.24
LED_DROP_1: J111.1 pad.6@9.37,22.2 U2.39 | length 53.5
  Top Layer w0.15: v1(9.87,16.41) J111.1@9.87,18.89 v1(9.87,20.29) ; v1(21.19,-2.28) 24.38,-2.28 25.47,-1.19 25.47,0.21 24.52,1.16 U2.39@24.52,1.72
  Bottom Layer w0.15: pad.6@9.37,22.2 9.37,20.79 v1(9.87,20.29) ; v1(9.87,16.41) 9.87,14.98 13.55,11.3 13.55,-0.58 14.45,-1.48 14.45,-8.56 15.14,-9.25 17.6,-9.25 18.21,-8.64 18.21,-4.12 20.07,-2.26 v1@21.19,-2.26
LED_DROP_2: J3.2 J111.2 pad.5@10.12,23.7 U2.34 | length 48.9
  Top Layer w0.15: v1@10.37,15.89 v1(10.37,15.9) J111.2@10.37,18.89 v1(10.37,20.97) ; J3.2@16.65,-8.05 18.25,-6.45 18.25,-4.59 18.89,-3.95 18.89,1.86 19.45,2.42 U2.34@22.22,2.42
  Bottom Layer w0.15: pad.5@10.12,23.7 10.12,21.22 v1(10.37,20.97) ; v1(10.37,15.9) 10.37,14.9 13.88,11.39 13.88,-0.4 14.79,-1.31 14.79,-6.19 J3.2@16.65,-8.05
LED_DROP_3: J3.3 J111.3 pad.2@10.87,22.2 U2.33 | length 42.4
  Top Layer w0.15: v1@10.87,16.35 v1(10.87,16.37) J111.3@10.87,18.89 v1(10.87,20.29) ; J3.3@16.65,-5.51 16.65,-5.42 18.6,-3.47 18.6,2 19.42,2.82 U2.33@22.22,2.82
  Bottom Layer w0.15: v1(10.87,16.37) 10.87,14.81 14.21,11.47 14.21,-0.265 15.13,-1.185 15.13,-3.99 J3.3@16.65,-5.51 ; pad.2@10.87,22.2 v1(10.87,20.29) v1@10.9,20.32
LED_DROP_4: J3.4 J111.4 pad.3@11.62,23.7 U2.32 | length 39.3
  Top Layer w0.15: v1(11.37,15.89) J111.4@11.37,18.89 v1(11.37,20.97) ; J3.4@16.65,-2.97 18.17,-1.45 18.17,2.36 19.03,3.22 U2.32@22.22,3.22
  Bottom Layer w0.15: v1(11.37,15.89) 11.37,14.706 14.56,11.516 14.56,-0.19 16.65,-2.28 J3.4@16.65,-2.97 ; v1(11.37,20.97) 11.37,21.4 11.62,21.65 pad.3@11.62,23.7
LED_DROP_5: J3.5 J111.5 pad.4@12.37,22.2 U2.31 | length 33.5
  Top Layer w0.15: v1@11.87,16.44 v1(11.87,16.45) J111.5@11.87,18.89 v1(11.87,20.29) ; J3.5@16.65,-0.92 J3.5@16.895,-0.675 ; J3.5@16.65,-0.43 17.87,0.79 17.87,2.456 19.034,3.62 U2.31@22.22,3.62
  Bottom Layer w0.15: v1(11.87,16.45) 11.87,14.64 14.87,11.64 14.87,1.35 J3.5@16.65,-0.43 ; v1(11.87,20.29) 11.87,21.4 12.37,21.9 pad.4@12.37,22.2 ; pad.4@12.3,22.2 pad.4@12.3,22.3
LILNEL: R147.2 R148.2 U2.59 | length 8.6
  Top Layer w0.15: U2.59@30.02,5.22 30.42,5.22 30.46,5.26 v1(31.22,5.26) ; v1@31.22,5.22 v1@31.24,5.22 ; v1(32.24,1.27) 32.71,0.8 R148.2@32.71,0.63 33.62,0.63 R147.2@33.69,0.63
  Bottom Layer w0.15: v1(31.22,5.26) 30.79,5.26 30.28,4.75 30.28,3.24 32.245,1.275 v1@32.25,1.27 ; v1(32.24,1.27) v1@32.25,1.27 ; v1@32.25,1.27 32.288,1.232 v1@32.25,1.27
LINER: R146.2 R149.2 U2.60 | length 7.9
  Top Layer w0.15: U2.60@30.02,5.62 30.7,5.62 v1(30.85,5.77) ; R146.2@30.91,0.63 31.36,0.63 R149.2@31.81,0.63
  Bottom Layer w0.15: v1(30.85,5.77) 29.95,4.87 29.95,3.09 31.36,1.68 v1(31.36,0.65)
LOG_LED: R271.2 U2.63 | length 10.8
  Top Layer w0.15: U2.63@30.02,6.82 v1(30.69,6.82) ; v1(35.84,5.5) 35.84,7.01 36.73,7.9 R271.2@38.1,7.9
  Bottom Layer w0.15: v1(30.69,6.82) 31.08,6.82 32.74,5.16 35.5,5.16 v1(35.84,5.5)
LRADCIN: C206.2 R54.2 R58.1 R59.1 R60.1 R61.1 R62.1 R300.1 U2.42 V12.1 | length 74.3
  Top Layer w0.15: R62.1@12.572,-1.977 12.947,-1.977 v1(13.49,-2.52) ; R62.1@12.578,-1.972 R61.1@12.578,-1.052 ; v1@13.58,-2.52 14.09,-2.01 14.09,5.48 v1(15.4,6.79) ; v1@17.66,11.15 17.735,11.225 18.01,11.5 18.01,13.87 18.75,14.61 21.64,14.61 21.588,14.558 ; v1@22.19,-10.85 23.66,-10.85 25.4,-9.11 25.4,-7.88 R300.1@25.4,-6.97 25.98,-6.97 27.92,-5.03 v1(27.92,-3.97) 27.92,-3.14 26.79,-2.01 26.79,0.124 25.72,1.194 U2.42@25.72,1.72 ; R60.1@34.62,0.62 R60.1@34.62,0.65 35.6,-0.33 R58.1@35.6,-0.36 ; v1@35.16,-1.69 35.6,-1.25 R58.1@35.6,-0.36 ; V12.1@37.47,-0.36 36.55,-0.36 R58.1@35.6,-0.36
  Bottom Layer w0.15: v1(13.49,-2.52) 13.74,-2.77 13.74,-10.79 15.15,-12.2 17.51,-12.2 18.07,-12.76 20.18,-12.76 v1(22.14,-10.8) ; v1(15.4,6.79) 15.4,10.66 15.94,11.2 v1(17.76,11.2) ; v1(27.92,-3.97) 32.11,-3.97 32.39,-3.69 32.39,-3.08 32.97,-2.5 34.39,-2.5 v1(35.18,-1.71)
MIC_BIAS: R209.2 U2.58 | length 11
  Top Layer w0.15: U2.58@30.025,4.825 32.045,4.825 32.44,4.43 37.75,4.43 R209.2@39.92,6.6
MICLN: C256.2 U2.56 | length 10.5
  Top Layer w0.15: U2.56@30.02,4.02 31.12,4.02 31.66,3.48 38.84,3.48 39.57,2.75 C256.2@39.95,2.75